# Altium PCB 2017_Avionics_Integrated_PCB.PcbDoc
Units mm, origin at the board's own origin, x right, y up, seen from the top; angles counter-clockwise.
Board outline 75.72 x 113.54 mm, 2 copper layers (Top Layer, Bottom Layer); 44 components, 49 nets, 209 pads, 30 vias.
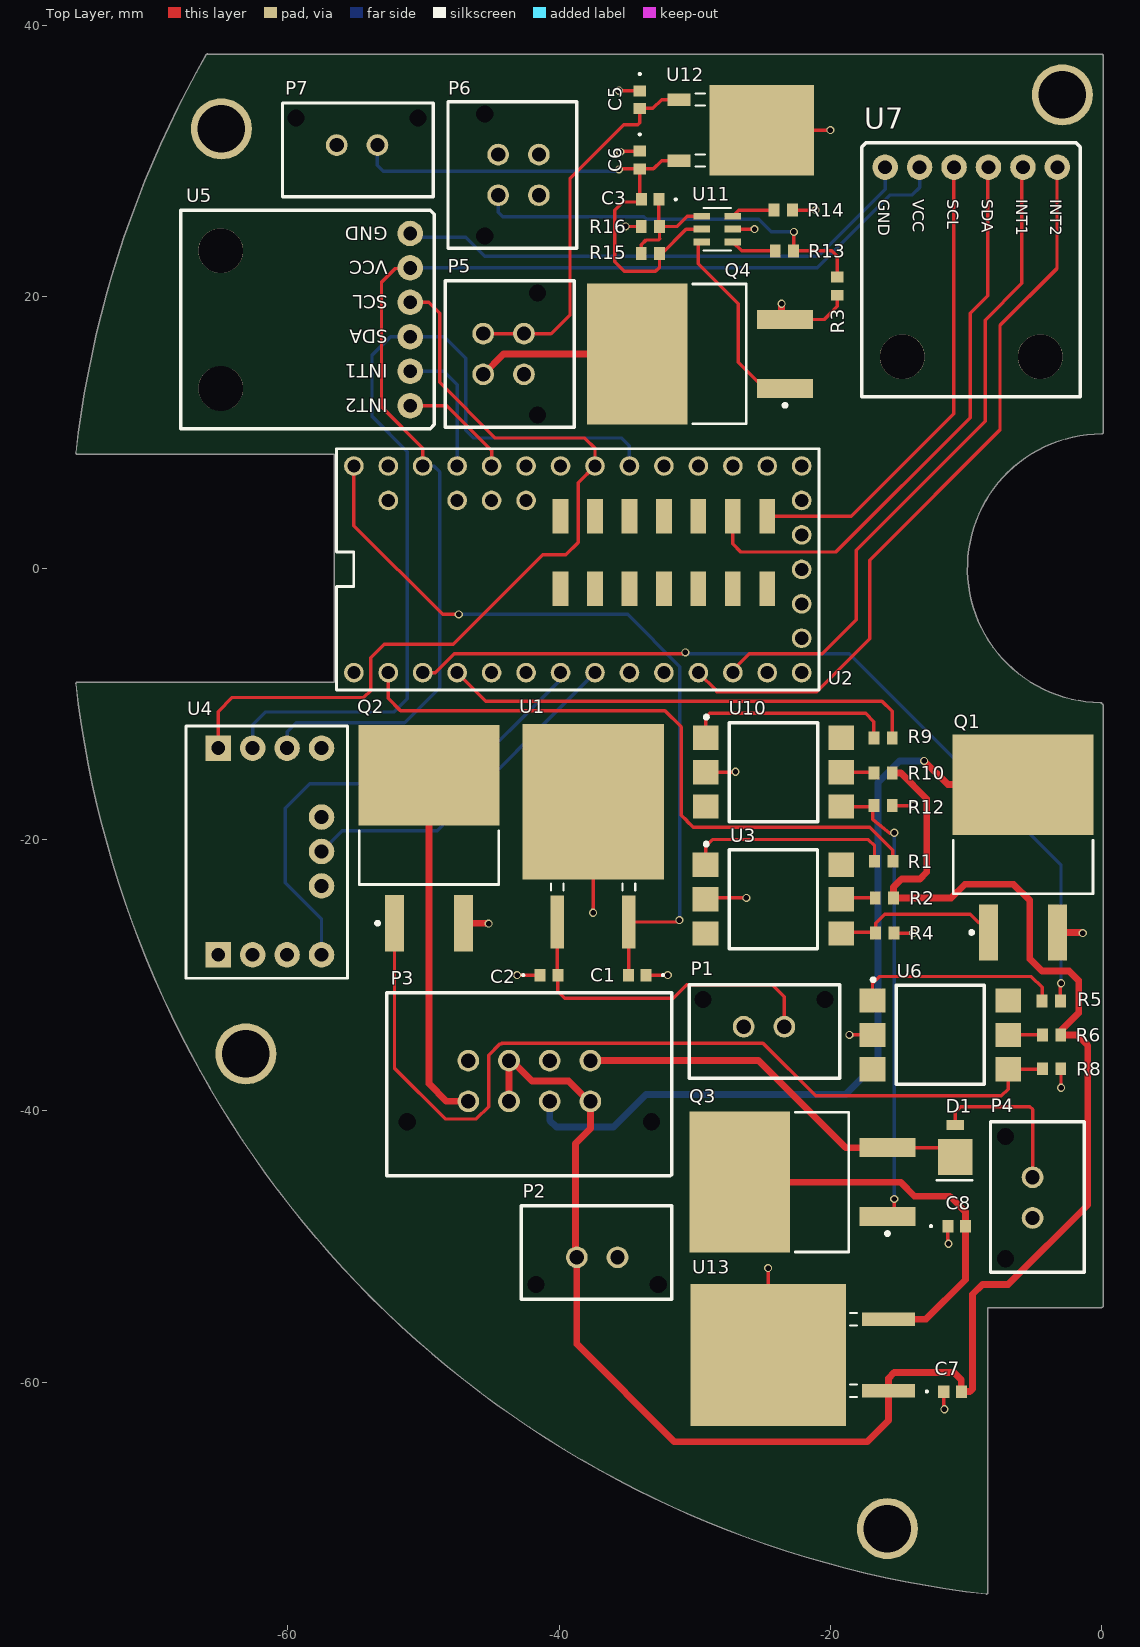
[diagram p0: Top Layer view]
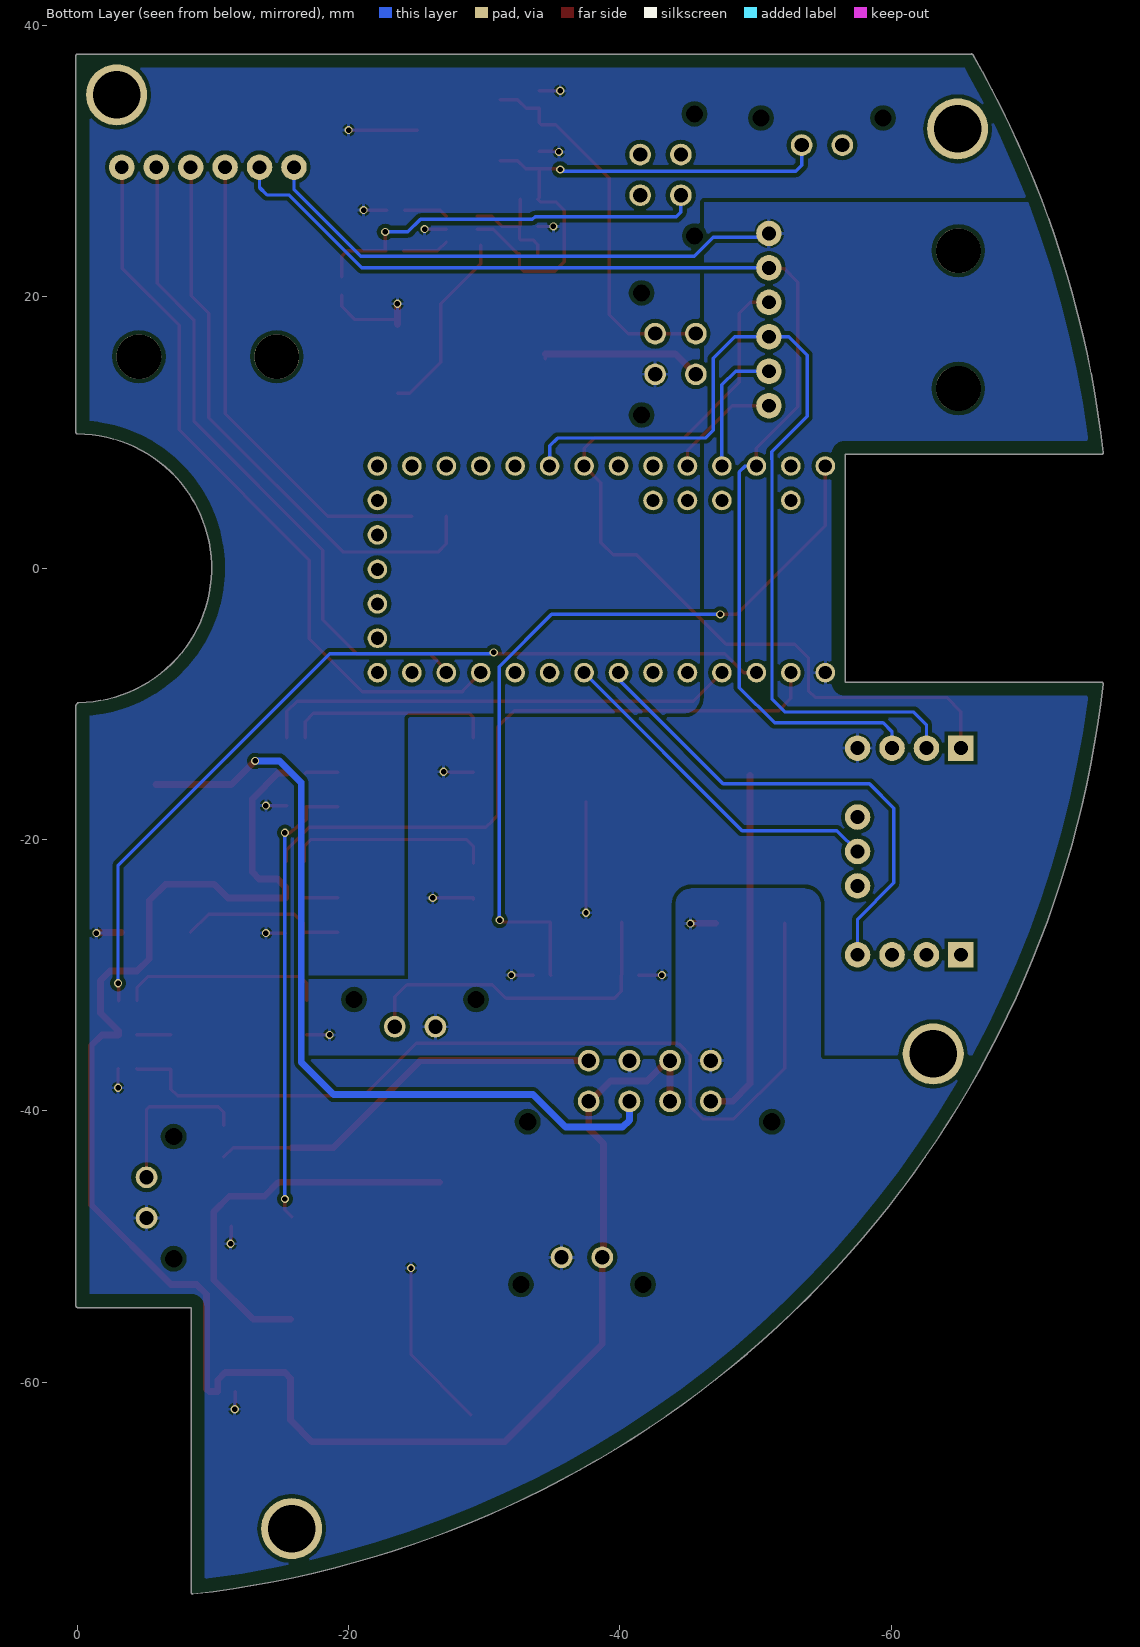
[diagram p1: Bottom Layer view, seen from below]

## Layer stack, top to bottom
Top Solder: solder mask 0.0102, Solder Resist, Dk 3.5
Top Layer: signal copper 0.0356
Dielectric 1: dielectric 0.32, FR-4, Dk 4.8
Bottom Layer: signal copper 0.0356
Bottom Solder: solder mask 0.0102, Solder Resist, Dk 3.5

## Board outline
-75.623,-8.514 cw(c-75.523,-8.503) -75.522,-8.402 cw(c-75.5,-8.5) -75.5,-8.4 -56.6,-8.4 -56.6,8.4 -75.5,8.4 cw(c-75.5,8.5) -75.523,8.402 cw(c-75.523,8.503) -75.623,8.514 cw(c0,0) -66.012,37.864 cw(c-65.925,37.814) -65.873,37.9 0,37.9 cw(c0,37.8) 0.1,37.8 0.1,10 ccw(c0,10) 0.1,10.002 0.1,10 cw(c0,10) 0,9.9 ccw(c0,0) -0.098,-9.899 cw(c-0.099,-10) 0.001,-10 cw(c-0.099,-10) 0.001,-10 cw(c0,-10.1) 0.1,-10.1 0.1,-54.4 cw(c0,-54.4) 0,-54.5 -8.4,-54.5 -8.4,-75.5 cw(c-8.5,-75.5) -8.402,-75.523 cw(c-8.503,-75.523) -8.402,-75.523 cw(c-8.503,-75.523) -8.514,-75.623 cw(c0,0)

## Design rules (kind name [scope] priority, off if disabled: settings)
BoardOutlineClearance [All] p1: gap=1
Clearance [All] p1: gap=0.3
ComponentClearance [All] p1: gap=0.25 collisioncheckmode=3 verticalgap=0.25 showdistances=FALSE
DiffPairsRouting [All] p1: maxlimit=10 minlimit=0.2 mostfreqgap=0.25 toplayer_minwidth=0.2 toplayer_maxwidth=10 toplayer_prefwidth=0.25 bottomlayer_minwidth=0.2 bottomlayer_maxwidth=10 bottomlayer_prefwidth=0.25 maxuncoupledlength=12.7
Height [All] p1: minheight=0 maxheight=100 prefheight=0
HoleSize [All] p1: absolutevalues=TRUE maxlimit=12 minlimit=0.3 maxpercent=80.000 minpercent=20.000
HoleToHoleClearance [All] p1: gap=0.25 allowstackedmicrovias=TRUE
MinimumSolderMaskSliver [All] p1: minsoldermaskwidth=0.05
PlaneClearance [All] p1: clearance=0.5
PlaneConnect [All] p1: planeconnectstyle=Relief reliefexpansion=0.25 reliefentries=4 reliefconductorwidth=0.25 reliefairgap=0.25
PolygonConnect [All] p1: connectstyle=Relief reliefconductorwidth=0.25 reliefentries=4 polygonreliefangle="90 Angle" airgapwidth=0.15
RoutingCorners [All] p1: cornerstyle=45-Degree minsetback=2.5 maxsetback=2.5
RoutingVias [All] p1: holewidth=0.4 width=0.6 viastyle="Through Hole" minholewidth=0.3 minwidth=0.5 maxholewidth=1 maxwidth=1.5
SilkToSilkClearance [All] p1: silktosilkclearance=0.25
SilkToSolderMaskClearance [IsPad] p1: minsilkscreentomaskgap=0.1 clearancetoexposedcopper=TRUE
SolderMaskExpansion [All] p1: expansion=0.1
Width [All] p1: maxlimit=10 minlimit=0.2 preferedwidth=0.25 minimp=50.000000 maximp=50.000000 favimp=50.000000
19 further rules are at their usual default settings.

## Classes and differential pairs
component class 2017_Avionics_Delay_PCB: C3 C5 C6 P5 P6 P7 Q4 R3 R13 R14 R15 R16 U11 U12
component class 2017_Avionics_Integrated_PCB: C1 C2 C7 C8 D1 P1 P2 P3 P4 Q1 Q2 Q3 R1 R2 R4 R5 R6 R8 R9 R10 R12 U1 U2 U3 U4 U5 U6 U7 U10 U13

## Components (designator, comment, footprint, x,y, rotation, side; value= is the part's Value field where it differs from the comment)
C1 "0.1uF" "Yageo CC0603ZRY5V9BB104 (1608)" -34.248,-30 r180 top
C2 "0.33uF" "Yageo CC0603ZRY5V9BB104 (1608)" -40.752,-30 r0 top
C3 "Cap" "Yageo CC0603ZRY5V9BB104 (1608)" -33.3,27.2 r180 top
C5 "Cap" "Yageo CC0603ZRY5V9BB104 (1608)" -34.056,34.548 r270 top
C6 "Cap" "Yageo CC0603ZRY5V9BB104 (1608)" -34.056,30.1 r270 top
C7 "0.33uF" "Yageo CC0603ZRY5V9BB104 (1608)" -11,-60.7 r0 top
C8 "0.1uF" "Yageo CC0603ZRY5V9BB104 (1608)" -10.7,-48.5 r0 top
D1 "Diode" "Vishay SS3P6-M3/84A" -10.8,-43.4 r90 top
P1 "Teensy Battery" "Microfit 2-pin header" -1261.8,-1285.6 r180 top
P2 "Molex 43650-0228" "Microfit 2-pin header" 1199.7,1201 r0 top
P3 "Molex 0430450827" "Microfit 8-pin header" -1299.7,-1294.8 r180 top
P4 "Molex 43650-0228" "Microfit 2-pin header" 1246.7,-1283.3 r270 top
P5 "Nose Cone Ignitor (COTS)" "MICROFIT 4-PIN HEADER" -44.1,15.8 r270 top
P6 "COTS Input Signals" "MICROFIT 4-PIN HEADER" -42.996,29 r90 top
P7 "Molex 43650-0228" "Microfit 2-pin header" -1291.8,-1220.6 r180 top
Q1 "IPB065N03L G" "Infineon Technologies IPB055N03L G" -5.8,-20.6 r90 top locked
Q2 "IPB065N03L G" "Infineon Technologies IPB055N03L G" -49.6,-19.917 r90 top
Q3 "IPB065N03L G" "Infineon Technologies IPB055N03L G" -22.05,-45.26 r180 top
Q4 "IPB065N03L G" "Infineon Technologies IPB055N03L G" -29.6,15.8 r180 top
R1 "330R" "Panasonic ERJ-Series (1608)" -16.075,-21.6 r180 top
R2 "1k" "Panasonic ERJ-Series (1608)" -16.025,-24.3 r0 top
R3 "" "Panasonic ERJ-Series (1608)" -19.5,20.8 r90 top
R4 "100k" "Panasonic ERJ-Series (1608)" -16,-26.9 r180 top
R5 "330R" "Panasonic ERJ-Series (1608)" -3.725,-31.9 r180 top
R6 "1k" "Panasonic ERJ-Series (1608)" -3.7,-34.4 r0 top
R8 "100k" "Panasonic ERJ-Series (1608)" -3.7,-36.9 r180 top
R9 "330R" "Panasonic ERJ-Series (1608)" -16.125,-12.5 r180 top
R10 "1k" "Panasonic ERJ-Series (1608)" -16.125,-15.1 r0 top
R12 "100k" "Panasonic ERJ-Series (1608)" -16.125,-17.5 r180 top
R13 "" "Panasonic ERJ-Series (1608)" -23.4,23.4 r180 top
R14 "" "Panasonic ERJ-Series (1608)" -23.475,26.4 r180 top
R15 "" "Panasonic ERJ-Series (1608)" -33.275,23.2 r0 top
R16 "" "Panasonic ERJ-Series (1608)" -33.275,25.2 r0 top
U1 "L7806CD2T" "STMicroelectronics L7806CD2T-TR" -37.5,-17.2 r0 top
U2 "Teensy 3.2" "PJRC TEENSY 3.2" -38.63,-0.08 r90 top locked
U3 "4N25-X009" "Vishay Semiconductors 4N25-X009" -24.204,-24.4 r0 top
U4 "Sparkfun IMU Breakout" "Sparkfun IMU Breakout" -80.609,-22.023 r0 top
U5 "Sparkfun MPL3115A2" "Sparkfun MPL3115A2" -56.7,17.7 r90 top
U6 "4N25-X009" "Vishay Semiconductors 4N25-X009" -11.9,-34.4 r0 top
U7 "Sparkfun MPL3115A2" "Sparkfun MPL3115A2" -8.985,23.855 r180 top
U10 "4N25-X009" "Vishay Semiconductors 4N25-X009" -24.2,-15.037 r0 top
U11 "LTC6994CS6-1" "Linear Technology LTC6994CS6-1#TRMPBF" -28.343,25 r180 top
U12 "L7805CDT-TR" "STMicroelectronics L7805CDT-TR" -25.056,32.3 r270 top
U13 "L7806CD2T-TR" "STMicroelectronics L7806CD2T-TR" -24.6,-58 r90 top

## Footprints (in the part's own frame and the unit in brackets; to place one, negate y for a bottom-side part, rotate by r counter-clockwise, add the part's x,y. Pads: shape width x height; smd on the part's side, far side on the other; paste and mask are expansions set on the pad)
"Infineon Technologies IPB055N03L G" [mm] "MOSFET N-Ch 30V 50A D2PAK-2 OptiMOS 3"
  rect 4.15x1.4 smd: 1(-6.25,2.54) 3(-6.25,-2.54)
  rect 7.4x10.4 smd: 2(4.65,0)
  silkscreen extent -6.37,-5.15 0.55,5.15, body extent -3.4,-5.15 6.05,5.15, height 4.58
"Linear Technology LTC6994CS6-1#TRMPBF" [mil] "IC DELAY LINE 8TAP PROG TSOT23-6"
  rect 48x20 smd: 1(-45,37.4) 2(-45,0) 3(-45,-37.4) 4(45,-37.4) 5(45,0) 6(45,37.4)
  silkscreen extent -40,-62 39,62, body extent 0,0 10,10, height 10
"Microfit 2-pin header" [mm]
  round 1.6 hole 1.05: 1(-1238.4,-1251.8) 2(-1235.4,-1251.8)
  round 0 hole 1.27: ""(-1241.4,-1253.8) ""(-1232.4,-1253.8)
  silkscreen extent -1242.5,-1254.9 -1231.4,-1248, body extent -1241.72,-1254.3 -1232.08,-1248.69, height 9.95
"MICROFIT 4-PIN HEADER" [mm]
  round 1.6 hole 1.05: 1(-1.5,1.5) 2(1.5,1.5) 3(-1.5,-1.5) 4(1.5,-1.5)
  round 0 hole 1.27: ""(-4.5,2.5) ""(4.5,2.5)
  silkscreen extent -5.4,-4.3 5.4,5.2, body extent -5.05,-3.98 5.1,4.78, height 9.95
"Microfit 8-pin header" [mm]
  round 1.6 hole 1.05: 1(-1262,-1255.5) 2(-1259,-1255.5) 3(-1256,-1255.5) 4(-1253,-1255.5) 5(-1262,-1258.5) 6(-1259,-1258.5) 7(-1256,-1258.5) 8(-1253,-1258.5)
  round 0 hole 1.27: ""(-1266.5,-1254) ""(-1248.5,-1254)
  silkscreen extent -1268,-1263.5 -1247,-1250, body extent -1267,-1262.85 -1248,-1250.95, height 2.6
"Panasonic ERJ-Series (1608)" [mm] "Thick Film Chip Resistor"
  rect 0.8x0.95 smd: 1(-0.675,0) 2(0.675,0)
  body extent -0.87,-0.48 0.87,0.48, height 0.55
"PJRC TEENSY 3.2" [mil]
  round 57 hole 38: 0(-300,550) 1(-300,450) 2(-300,350) 3(-300,250) 3.3V(300,450) 3.3V1(-100,-650) 4(-300,150) 5(-300,50) 6(-300,-50) 7(-300,-150) 8(-300,-250) 9(-300,-350) 10(-300,-450) 11(-300,-550) 12(-300,-650) 13(300,-650) 14/A0(300,-550) 15/A1(300,-450) 16/A2(300,-350) 17/A3(300,-250) 18/A4(300,-150) 19/A5(300,-50) 20/A6(300,50) 21/A7(300,150) 22/A8(300,250) 23/A9(300,350) A10(200,250) A11(200,150) A14/DAC(200,-650) AGND(300,550) AREF(200,350) GND(-300,650) GND1(0,-650) PGM(100,-650) VBAT(-200,-650) VIN(300,650) VUSB(200,550)
  rect 100.39x45.67 smd: 3.3V2(154.13,-50) 24(-56.1,-150) 25(-56.1,-250) 26(-56.1,-350) 27(-56.1,-450) 28(-56.1,-550) 29(154.13,-550) 30(154.13,-450) 31(154.13,-350) 32(154.13,-250) 33(154.13,-150) A12(-56.1,50) A13(154.13,50) GND2(-56.1,-50)
  silkscreen extent -350,-700 350,700, body extent -352,-703 352,754, height 173
"Sparkfun IMU Breakout" [mil] "SparkFun IMU Breakout - MPU-9250"
  rect 74x74 hole 40: 1(609,345) 8(609,-255)
  round 74 hole 40: 2(709,345) 3(809,345) 4(909,345) 5(909,-55) 6(909,45) 7(909,145) 9(709,-255) 10(809,-255) 11(909,-255)
  silkscreen extent 516,-323 984,409, body extent 535,-305 965,395, height 79
"Sparkfun MPL3115A2" [mil] "SparkFun Altitude/Pressure Sensor Breakout"
  round 74 hole 40: 1(-225,-225) 2(-125,-225) 3(-25,-225) 4(75,-225) 5(175,-225) 6(275,-225)
  round 130 hole 130: ""(-175,325) ""(225,325)
  silkscreen extent -291,-295 343,441, body extent -275,-280 325,420, height 79
"STMicroelectronics L7805CDT-TR" [mil] "Linear Voltage Regulator IC Positive Fixed Output 5V 1.5A D-Pak"
  rect 37x67 smd: 1(-88.58,-240.5) 2(88.58,-240.5)
  rect 262x304 smd: 3(0,0)
  silkscreen extent -106,-193 106,-165, body extent -130,-243 130,103, height 95
"STMicroelectronics L7806CD2T-TR" [mil] "Linear Voltage Regulator IC Positive Fixed Output 6V 1.5A D2PAK"
  rect 39x154 smd: 1(-103.94,-349.5) 3(103.94,-349.5)
  rect 411x451 smd: 2(0,0)
  silkscreen extent -122,-258 122,-239, body extent -204,-340 205,190, height 181
"Vishay Semiconductors 4N25-X009" [mm] "Transistor Output Optocouplers Phototransistor Out Single CTR>20%"
  rect 1.9x1.78 smd: 1(-5,2.54) 2(-5,0) 3(5,-2.54) 4(5,0) ""(-5,-2.54) ""(5,2.54)
  silkscreen extent -5.08,-3.65 3.25,4.19
"Vishay SS3P6-M3/84A" [mm]
  rect 0.762x1.27 smd: 1(2.35,0)
  rect 2.67x2.54 smd: 2(0,0)
  silkscreen extent -1.73,-1.25 -1.73,1.35
"Yageo CC0603ZRY5V9BB104 (1608)" [mil] "CAP CER 0.1UF 50V Y5V 0603"
  rect 32x36 smd: 1(-25.5,0) 2(25.5,0)
  silkscreen extent -78,-3 -72,3, body extent -34,-18 34,18, height 36

## Part data
C1 C2 C7 C8: library part Cap, "Capacitor"
C3 C5 C6: "Capacitor"
D1: "Default Diode"
P1: library part "Header 2"
P5 P6: library part "Header 4", "Header, 4-Pin"
Q1 Q2 Q3 Q4: library part MOSFET-N, "Infineon IPB065N03L G"
R1 R3 R5 R9 R13 R14 R15 R16: library part Res1, "Vishay CRCW060347R0FKEAHP"
R2 R6 R10: library part Res1, "Panasonic ERJ-PA3F1001V"
R4 R8 R12: library part Res1, "Panasonic ERJ-PA3F1003V"
U1 U13: library part "STMicroelectronics L7806CD2T-TR", "Linear Voltage Regulator IC Positive Fixed Output 6V 1.5A D2PAK"
U2: library part "PJRC Teensy 3.2", "Teensy 3.2 Development Board"
U3 U6 U10: library part Optoisolator1, "Vishay 4N25-X009"
U4: "The SparkFun MPU-9250 IMU Breakout features the latest 9-axis MEMS sensor from InvenSense."
U5 U7: "The MPL3115A2 is a MEMS pressure sensor that provides Altitude data to within 30cm (with oversampling enabled)."
U11: library part "Linear Technology LTC6994CS6-1#TRMPBF", "Delay Line IC Programmable Tap 1£gs ~ 33.6s SOT-23-6 Thin, TSOT-23-6"
U12: library part "STMicroelectronics L7805CDT-TR", "Linear Voltage Regulator IC Positive Fixed Output 5V 1.5A D-Pak"

## Free pads (board coordinates)
  round 4.5 hole 3.5: ""(-64.9,32.4) ""(-63.1,-35.8) ""(-15.8,-70.8) ""(-2.9,34.9)

## Via types
v1: diameter 0.6, hole 0.4, Top Layer to Bottom Layer, tented top, 30 vias

## Nets (pads, with @x,y where several pads share a name; then routed paths per layer and width w, separated by ;. In a path a pad name is that pad's centre, name@x,y a point inside that pad or via, vN(x,y) a via of type N, cw(c..) or ccw(c..) an arc to the next point about the centre after c; other vN are vias at no path point)
3.3V_VCC: U2.3.3V U4.3 U5.5 U7.5 | length 90.5
  Top Layer w0.25: U5.5@-50.485,22.145 -50.53,22.1 -52.1,22.1 -53.1,21.1 -53.1,11.9 -50.06,8.86 U2.3.3V
  Bottom Layer w0.25: U4.3 -60.06,-12.06 -59.4,-11.4 -51.4,-11.4 -48.8,-8.8 -48.8,7.1 -49.24,7.54 U2.3.3V ; U5.5 -20.977,22.145 -15.6,27.522 -13.978,27.522 -13.43,28.07 U7.5
+6V_I: C8.2 Q3.2 U13.3 | length 29.4
  Top Layer w0.5: Q3.2 -14.84,-45.26 -13.8,-46.3 -11.2,-46.3 -10.052,-47.448 C8.2 -10.052,-52.452 -12.96,-55.36 U13.3
+7.4V_I: C7.2 P2.1 P3.1 P3.3 P3.7 R2.2 R6.2 R10.2 U13.1 | length 134.7
  Top Layer w0.5: P3.3 P3.7 -43.5,-36.3 -42,-37.8 -39.3,-37.8 -37.8,-39.3 P3.1 -37.7,-41.3 -38.8,-42.4 -38.8,-50.7 P2.1 -38.7,-57.2 -31.5,-64.4 -17.3,-64.4 -15.7,-62.8 -15.723,-62.777 U13.1 -15.723,-59.723 -15.3,-59.3 -10.9,-59.3 -10.352,-59.848 C7.2 -9.725,-60.7 -9.525,-60.5 -9.525,-53.525 -8.8,-52.8 -6.9,-52.8 -1.025,-46.925 -1.025,-35.2 -1.825,-34.4 R6.2 -3.025,-34.125 -1.7,-32.8 -1.7,-30.4 -2.4,-29.7 -4.4,-29.7 -5.3,-28.8 -5.3,-24.5 -6.5,-23.3 -10.1,-23.3 -11.1,-24.3 R2.2 -15.35,-23.5 -14.75,-22.9 -13.4,-22.9 -12.9,-22.4 -12.9,-17 -14.8,-15.1 R10.2
+7.4V_T: C2.2 P1.1 U1.1 | length 25
  Top Layer w0.25: U1.1 -40.14,-29.965 C2.2 -40.105,-31.195 -39.6,-31.7 -31.6,-31.7 -30.6,-30.7 -24.3,-30.7 -23.4,-31.6 P1.1
COTS+: D1.1 P4.1 | length 11.9
  Top Layer w0.25: D1.1 -10.8,-40.1 -10.4,-39.7 -5.3,-39.7 -5.1,-39.9 P4.1
DROGUE+_C: P6.1 R3.2 R13.1 | length 30
  Top Layer w0.25: v1(-22.7,24.8) -22.7,23.425 R13.1 -19.9,23.4 -19.5,23 R3.2
  Bottom Layer w0.25: P6.1 -44.496,26.254 -44.167,25.925 -33.75,25.925 -33.55,25.725 -25.3,25.725 -24.375,24.8 v1(-22.7,24.8)
DROGUE-_C: P6.2
DROGUE-_T: P3.2 Q1.2 | length 60.5
  Top Layer w0.5: v1(-13.1,-14.2) -11.35,-15.95 Q1.2
  Bottom Layer w0.5: P3.2 -40.7,-40.7 -40.2,-41.2 -36,-41.2 -33.6,-38.8 -18.9,-38.8 -16.5,-36.4 -16.5,-15.8 -14.9,-14.2 v1(-13.1,-14.2)
MAIN+_C: P6.3
MAIN+_T: D1.2 P3.5 Q3.3 | length 29.8
  Top Layer w0.25: Q3.3 -11.48,-42.72 D1.2
  Top Layer w0.5: P3.5 -25.3,-36.3 -18.88,-42.72 Q3.3
MAIN-_C: P6.4
MAIN-_T: C5.1 C6.1 C7.1 C8.1 P2.2 P3.6 P3.8 P4.2 P5.2 Q1.3 Q2.3 Q4.3 R3.1 R4.1 R8.1 R12.1 R14.1 R16.1 U11.2 U12.3 U13.2 | length 42.5
  Top Layer w0.25: v1@-45.233,-26.167 v1(-45.2,-26.2) ; v1(-35.6,35.2) -35.595,35.195 C5.1 ; v1(-35.5,30.7) -35.452,30.748 C6.1 ; v1(-35.1,25.2) R16.1 ; U13.2@-29,-62.4 U13.2 v1(-24.6,-51.6) ; U11.2 v1(-25.6,25) ; U12.3 v1(-20,32.3) ; Q4.3 -20.46,18.34 -19.5,19.3 R3.1 ; R14.1 v1(-21.1,26.4) ; R12.1 v1(-13.9,-17.5) ; R4.1 v1(-13.9,-26.9) ; C7.1 -11.648,-61.952 v1(-11.6,-62) ; C8.1 -11.348,-49.752 v1(-11.3,-49.8) ; R8.1 -3,-36.925 v1(-3,-38.3) ; v1@-1.45,-26.85 v1(-1.4,-26.9)
  Top Layer w0.5: Q2.3 v1@-45.233,-26.167 ; Q4.3@-23.6,17.98 v1(-23.6,19.5) ; Q1.3 v1@-1.45,-26.85
NetC1_2: C1.2 U1.3 U2.VIN | length 59.2
  Top Layer w0.25: U2.VIN -55.14,3.14 -48.6,-3.4 v1(-47.4,-3.4) ; C1.2 -34.86,-29.965 U1.3 -31.277,-26.077 v1(-31.139,-25.939)
  Bottom Layer w0.25: v1(-47.4,-3.4) -34.955,-3.4 -31.1,-7.255 -31.1,-25.9 v1(-31.139,-25.939)
NetC3_1: C3.1 R15.1 R16.2 U11.4 | length 8.5
  Top Layer w0.25: R15.1 -33.95,23.85 -33.6,24.2 -32.7,24.2 -32.6,24.3 R16.2 ; C3.1 -32.652,25.252 R16.2 ; U11.4 -30.55,25.95 -31.3,25.2 R16.2
NetC3_2: C3.2 C6.2 P7.1 R15.2 U11.5 U12.2 | length 41.2
  Top Layer w0.25: v1(-35.6,29.4) -35.548,29.452 C6.2 ; U12.2 -32.45,30.05 -33.048,29.452 C6.2 ; U11.5 -30.651,25 -32.451,23.2 R15.2 -32.6,22.2 -32.9,21.9 -35.2,21.9 -35.9,22.6 -35.9,26.4 -35.3,27 -34.148,27 C3.2 -34.056,27.309 C6.2
  Bottom Layer w0.25: P7.1 -53.4,29.7 -52.975,29.275 -35.725,29.275 v1(-35.6,29.4)
NetQ1_1: Q1.1 R4.2 U3.3 | length 12.5
  Top Layer w0.25: U3.3@-19.204,-26.84 -16.735,-26.84 R4.2 -16.675,-26.175 -16,-25.5 -9.69,-25.5 Q1.1
NetQ2_1: Q2.1 R8.2 U6.3 | length 67.8
  Top Layer w0.25: Q2.1 -52.14,-36.86 -48.4,-40.6 -46.1,-40.6 -45.2,-39.7 -45.2,-35.9 -44.375,-35.075 -44.278,-35.075 -44.228,-35.025 -24.975,-35.025 -21.1,-38.9 -7.4,-38.9 -6.9,-38.4 U6.3 -4.415,-36.94 R8.2
NetQ3_1: Q3.1 R12.2 U10.3 | length 33.7
  Top Layer w0.25: U10.3 -16.877,-17.577 -16.877,-18.514 -15.618,-19.533 v1(-15.3,-19.5) ; Q3.1 -15.3,-47.3 v1(-15.3,-46.5)
  Bottom Layer w0.25: v1(-15.3,-46.5) v1(-15.3,-19.5)
NetQ4_1: Q4.1 U11.6 | length 14
  Top Layer w0.25: U11.6@-29.736,23.8 -29.736,22.436 -26.8,19.5 -26.8,15.2 -24.5,12.9 Q4.1@-23.6,12.9
NetR1_2: R1.2 U3.1 | length 15.3
  Top Layer w0.25: U3.1@-29.204,-21.76 -29.204,-20.504 -28.7,-20 -17.2,-20 -16.75,-20.45 R1.2
NetR2_1: R2.1 U3.4 | length 2.5
  Top Layer w0.25: U3.4@-19.204,-24.3 R2.1
NetR5_2: R5.2 U6.1 | length 15.3
  Top Layer w0.25: U6.1 -16.9,-30.6 -16.4,-30.1 -5.2,-30.1 -4.4,-30.9 R5.2
NetR6_1: R6.1 U6.4 | length 2.5
  Top Layer w0.25: U6.4 R6.1
NetR9_2: R9.2 U10.1 | length 15.5
  Top Layer w0.25: U10.1 -29.2,-11 -28.9,-10.7 -17.4,-10.7 -16.8,-11.3 R9.2
NetR10_1: R10.1 U10.4 | length 2.4
  Top Layer w0.25: U10.4 -16.863,-15.037 R10.1
NetR13_2: R13.2 U11.1 | length 3.4
  Top Layer w0.25: U11.1 -26.55,23.4 R13.2
NetR14_2: R14.2 U11.3 | length 3.2
  Top Layer w0.25: U11.3 -26.75,26.4 R14.2
NOSE+_C: C5.2 P5.1 P5.3 U12.1 | length 28.1
  Top Layer w0.25: P5.3 P5.1 -40.6,17.3 -39.2,18.7 -39.2,28.756 -35.256,32.7 -34.2,32.7 -34.056,32.844 C5.2 -33.1,33.9 -32.45,34.55 U12.1
NOSE-_C: P5.4 Q4.2 | length 12.1
  Top Layer w0.25: Q4.2@-34.5,15.44 Q4.2@-34.5,15.8
  Top Layer w0.5: P5.4 -44.1,15.8 Q4.2@-34.5,15.8
NOSE-_T: P3.4 Q2.2 | length 26.2
  Top Layer w0.5: Q2.2 -49.6,-38 -48.3,-39.3 P3.4
T-0: R1.1 U2.0 | length 48.4
  Top Layer w0.25: U2.0 -52.6,-9.6 -51.7,-10.5 -32.2,-10.5 -31,-11.7 -31,-18.2 -30.575,-18.625 -30.575,-18.643 -30.118,-19.1 -17.1,-19.1 -15.4,-20.8 R1.1
T-1: R5.1 U2.1 | length 64.2
  Top Layer w0.25: U2.1 -49.145,-7.7 -47.745,-6.3 -30.8,-6.3 v1(-30.7,-6.2) ; R5.1 -3.05,-30.65 v1(-3,-30.6)
  Bottom Layer w0.25: v1(-30.7,-6.2) -30.591,-6.309 -21.644,-6.309 -21.635,-6.3 -18.6,-6.3 -3,-21.9 v1(-3,-30.6)
T-2: R9.1 U2.2 | length 35.2
  Top Layer w0.25: U2.2 -45.42,-9.8 -16.2,-9.8 -15.45,-10.55 R9.1
T-3: U2.3
T-5: U2.5 U4.11 | length 36.6
  Bottom Layer w0.25: U4.11 -57.52,-25.88 -60.2,-23.2 -60.2,-17.7 -58.4,-15.9 -47.6,-15.9 -39.9,-8.2 U2.5
T-6: U2.6 U4.6 | length 25.6
  Bottom Layer w0.25: U4.6 -55.98,-19.34 -49,-19.34 U2.6
T-7: U2.7
T-8: U2.8
T-9: U2.9 U7.1 | length 55.5
  Top Layer w0.25: U2.9 -28.4,-9.04 -28.4,-9.1 -21,-9.1 -17.1,-5.2 -17.1,0.6 -7.5,10.2 -7.5,17.9 -3.3,22.1 -3.3,29.34 U7.1@-3.07,29.57
T-10: U2.10 U7.2 | length 49.3
  Top Layer w0.25: U2.10 -27.2,-7.509 -26,-6.309 -20.609,-6.309 -18.1,-3.8 -18.1,1.322 -8.6,10.822 -8.6,18.3 -5.9,21 U7.2@-5.9,29.57
T-13: U2.13
T-18/A4: U2.18/A4 U4.2 U5.3 | length 67.8
  Bottom Layer w0.25: U4.2 -62.6,-11.527 -61.673,-10.6 -52.2,-10.6 -51.209,-9.609 -51.209,8.016 -51.2,8.025 -51.2,8.6 -53.799,11.199 -53.799,15.701 -52.435,17.065 U5.3 -48.465,17.065 -46.875,15.475 -46.875,10.175 -46.3,9.6 -35.4,9.6 -34.82,9.02 U2.18/A4
T-19/A5: U2.19/A5 U4.1 U5.4 | length 64.4
  Top Layer w0.25: U4.1 -65.14,-10.565 -64.1,-9.525 -54.4,-9.525 -53.9,-9.025 -53.9,-6.6 -52.9,-5.6 -47.823,-5.6 -41.223,1 -39.5,1 -38.6,1.9 -38.6,6.3 U2.19/A5 -37.36,8.86 -38.1,9.6 -44.7,9.6 -48.8,13.7 -48.8,18.8 -49.605,19.605 U5.4
T-21/A7: U2.21/A7
T-22/A8: U2.22/A8 U5.1 | length 8.5
  Top Layer w0.25: U5.1 -48.285,11.985 -44.98,8.68 U2.22/A8
T-23/A9: U2.23/A9 U5.2 | length 9.9
  Bottom Layer w0.25: U5.2 -48.525,14.525 -47.52,13.52 U2.23/A9
T-29/A18: U2.29 U7.4 | length 35.2
  Top Layer w0.25: U2.29 -18.465,3.835 -10.9,11.4 -10.9,29.36 U7.4@-10.69,29.57
T-30/A19: U2.30 U7.3 | length 42.9
  Top Layer w0.25: U2.30 -27.2,1.8 -26.6,1.2 -19.6,1.2 -9.7,11.1 -9.7,18.8 -8.4,20.1 U7.3@-8.4,29.57
TEENSY_GND: C1.1 C2.1 P1.2 U1.2 U2.GND U3.2 U4.4 U5.6 U6.2 U7.6 U10.2 | length 60.1
  Top Layer w0.25: v1(-43.1,-30) C2.1 ; v1(-37.5,-25.4) U1.2 ; C1.1 v1(-32,-30) ; U3.2 -29.104,-24.3 v1(-26.2,-24.3) ; U3.2@-29.204,-24.3 -27,-24.3 ; U10.2 -27.037,-15.037 v1(-27,-15) ; v1(-18.6,-34.4) U6.2
  Bottom Layer w0.25: U5.6 -50.7,24.4 -46.895,24.4 -45.495,23 -20.9,23 -15.97,27.93 U7.6
pads on no net: P1. P2. P3. P4. P5. P6. P7. P7.2 U2.3.3V1 U2.3.3V2 U2.4 U2.11 U2.12 U2.14/A0 U2.15/A1 U2.16/A2 U2.17/A3 U2.20/A6 U2.24 U2.25 U2.26 U2.27 U2.28 U2.31 U2.32 U2.33 U2.A10 U2.A11 U2.A12 U2.A13 U2.A14/DAC U2.AGND U2.AREF U2.GND1 U2.GND2 U2.PGM U2.VBAT U2.VUSB U3. U4.5 U4.7 U4.8 U4.9 U4.10 U5. U6. U7. U10.

## Polygon pours and split planes (outlines as drawn)
TEENSY_GND on Bottom Layer "Teensy Gound" (solid, pour order 12): -77.282,-35.9 -55.102,-35.9 -55.102,-24.77 cw(c-53.63,-24.77) -53.63,-23.298 -45.27,-23.298 cw(c-45.27,-24.77) -43.798,-24.77 -43.798,-35.9 -16.8,-35.9 -16.8,-30.3 -24.4,-30.3 -24.4,-11.002 -44.73,-11.002 cw(c-44.73,-9.53) -46.202,-9.53 -46.202,27 -77.126,27
MAIN-_T on Bottom Layer "Ignition Ground" (solid, pour order 14): -74.616,-8.513 cw(c-74.517,-8.502) -74.52,-8.402 cw(c-74.5,-8.5) -74.5,-8.4 -56.6,-8.4 -56.6,8.4 -74.5,8.4 cw(c-74.5,8.5) -74.52,8.402 cw(c-74.517,8.502) -74.616,8.513 cw(c0,0) -64.9,37.79 cw(c-64.8,37.8) -64.84,37.892 cw(c-64.758,37.834) -64.683,37.9 0,37.9 cw(c0,37.8) 0.1,37.8 0.1,10 ccw(c0,10) 0.1,10.002 0.1,10 cw(c0,10) 0,9.9 ccw(c0,0) -0.098,-9.899 cw(c-0.099,-10) 0.001,-10 cw(c-0.1,-10) 0.001,-10 cw(c0,-10.1) 0.1,-10.1 0.1,-54.4 cw(c0,-54.4) 0,-54.5 cw(c0,-54.42) 0,-54.5 -8.4,-54.5 -8.4,-74.476 cw(c-8.491,-74.518) -8.39,-74.518 cw(c-8.491,-74.518) -8.495,-74.618 cw(c-8.5,-74.518) -8.526,-74.615 cw(c0,0)

## Silkscreen, mask and mechanical layers (free items; w line width, h text height)
Mechanical 1:
  lines w0.2: -75.523,-8.503 ccw(c0,0) -8.503,-75.523 ; -75.523,8.503 cw(c0,0) -65.925,37.814 ; -75.5,-8.5 -56.5,-8.5 -56.5,0 -56.5,8.5 -75.5,8.5 ; -65.9,37.8 0,37.8 0,10 ccw(c0,0) -0.099,-10 ; -8.5,-75.5 -8.5,-54.4 0,-54.4 0,-10.1

## Text inside footprints (layer, text, board x,y; h text height)
U5: Top Overlay "INT2" at -52.636,12.493 h1 r180; Top Overlay "INT1" at -52.636,15.033 h1 r180; Top Overlay "SCL" at -52.636,20.113 h1 r180; Top Overlay "SDA" at -52.636,17.573 h1 r180; Top Overlay "VCC" at -52.636,22.653 h1 r180; Top Overlay "GND" at -52.636,25.193 h1 r180
U7: Top Overlay "INT2" at -3.778,27.219 h0.86 r270; Top Overlay "INT1" at -6.318,27.219 h0.86 r270; Top Overlay "SCL" at -11.398,27.219 h0.86 r270; Top Overlay "SDA" at -8.858,27.219 h0.86 r270; Top Overlay "VCC" at -13.938,27.219 h0.86 r270; Top Overlay "GND" at -16.478,27.219 h0.86 r270
U12: Mechanical 13 "*" at -28.307,34.55 h1 r270